# Altium PCB CUBE3TX.PcbDoc
Units mil, origin at the board's own origin, x right, y up, seen from the top; angles counter-clockwise.
Board outline 6000 x 4000 mil, 2 copper layers (Top Layer, Bottom Layer); 98 components, 72 nets, 354 pads, 185 vias.
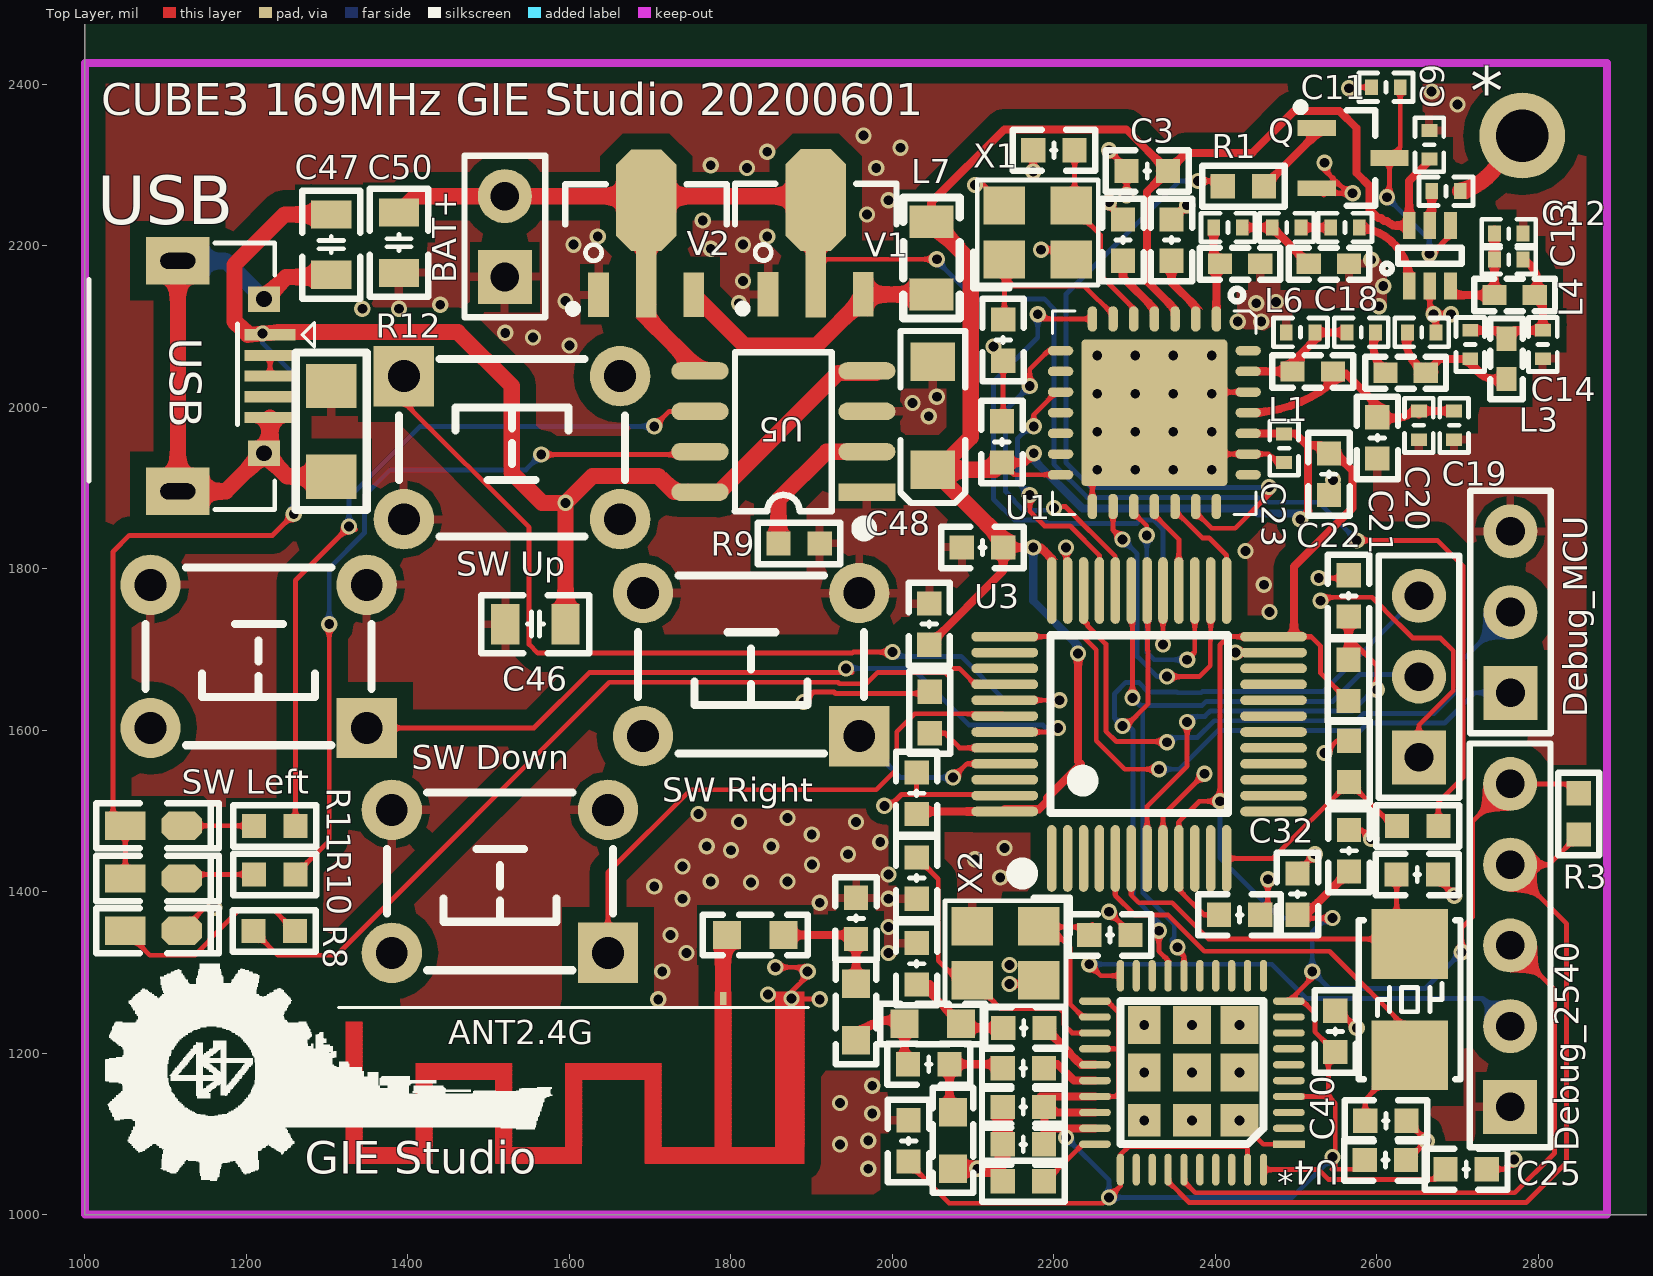
[diagram p0: Top Layer view]
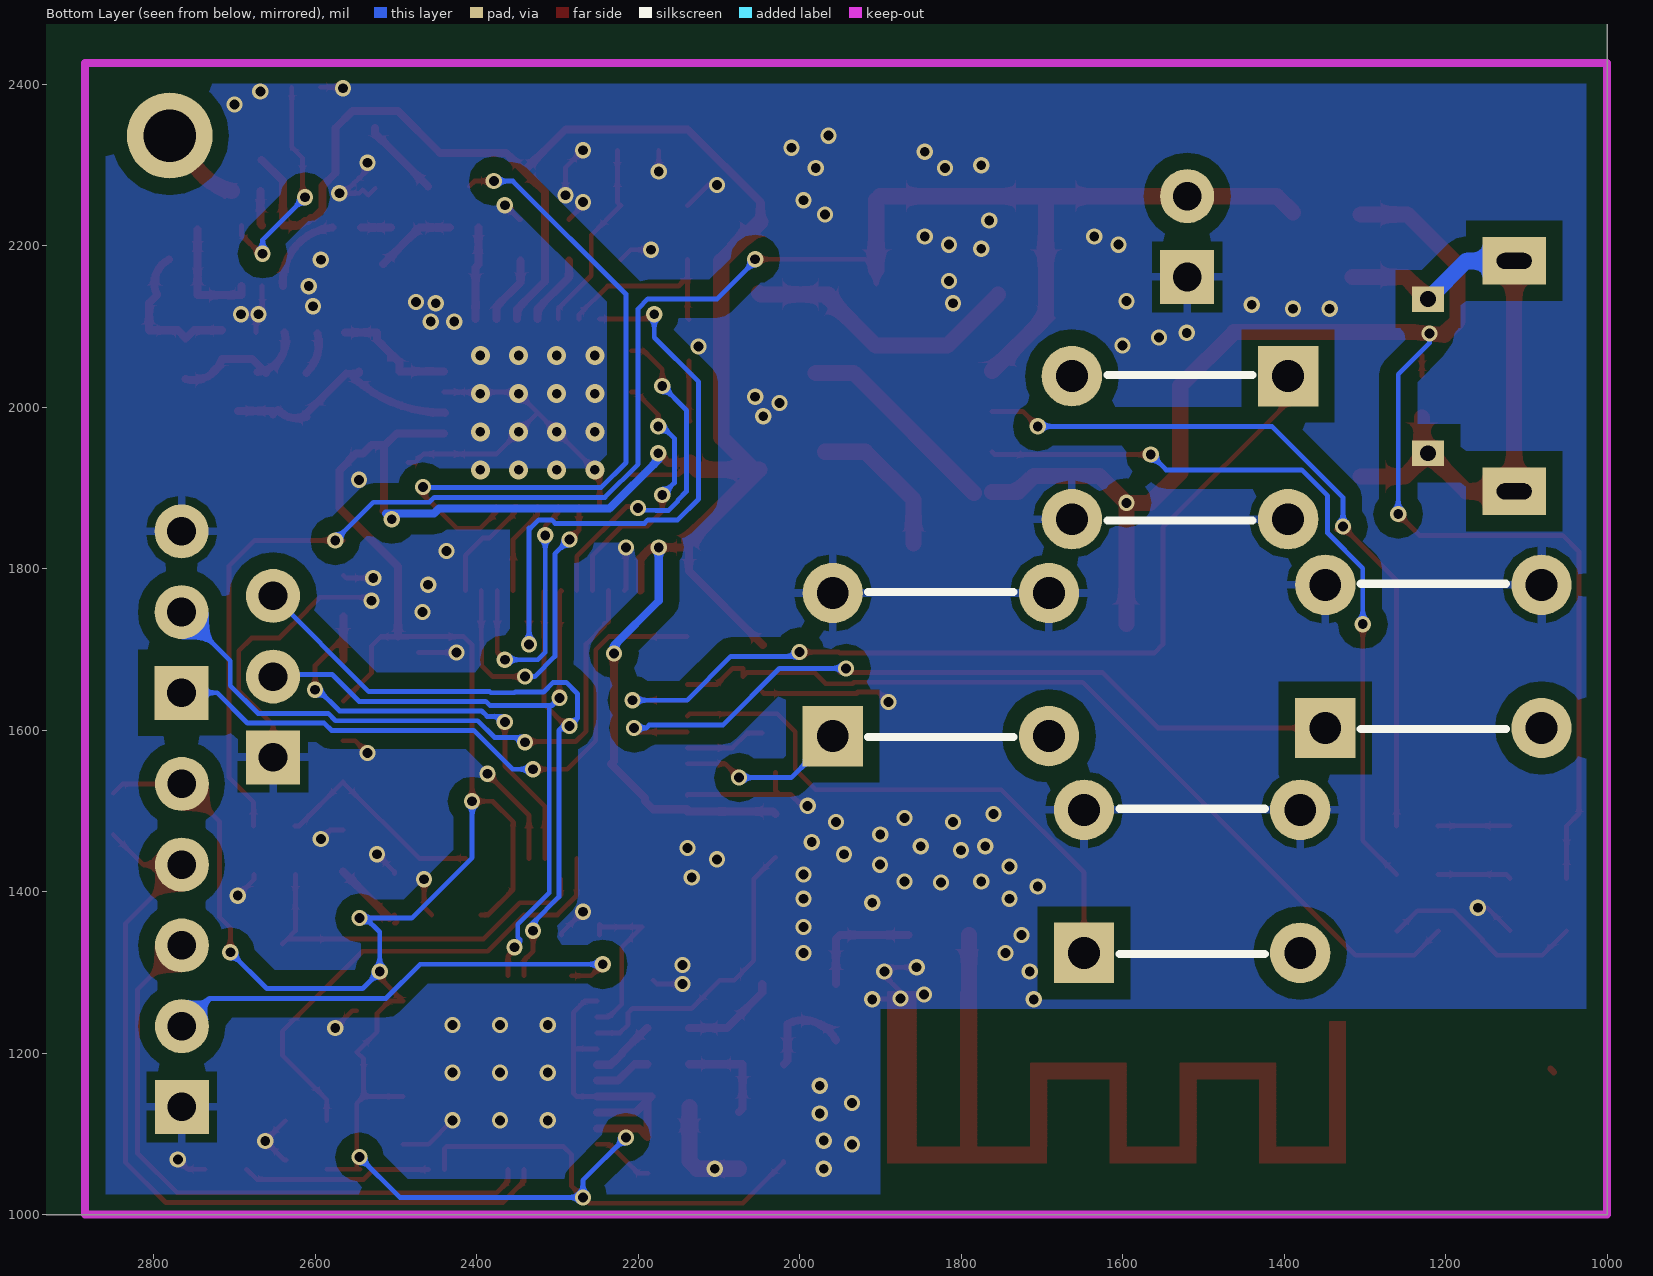
[diagram p1: Bottom Layer view, seen from below]

## Layer stack, top to bottom
Top Solder: solder mask 0.4, Solder Resist, Dk 3.5
Top Layer: signal copper 1.4
Dielectric 1: dielectric 12.6, FR-4, Dk 4.8
Bottom Layer: signal copper 1.4
Bottom Solder: solder mask 0.4, Solder Resist, Dk 3.5

## Board outline
1000,1000 7000,1000 7000,5000 1000,5000

## Design rules (kind name [scope] priority, off if disabled: settings)
Clearance Clearance_1 [InPoly] p1: gap=20 ignorepadtopadclearanceinfootprint=FALSE except(0: Arc-Hole Track-Hole SMDPad-Hole THPad-Hole Via-Hole Fill-Hole Poly-Hole Region-Hole Text-Hole)
Clearance [All] p2: gap=6 ignorepadtopadclearanceinfootprint=FALSE except(0: Arc-Hole Track-Hole SMDPad-Hole THPad-Hole Via-Hole Fill-Hole Poly-Hole Region-Hole Text-Hole)
PolygonConnect PolygonConnect_1 [IsVia] p1: connectstyle=Direct reliefconductorwidth=10 reliefentries=4 polygonreliefangle="90 Angle" airgapwidth=10
PolygonConnect [All] p2: connectstyle=Relief reliefconductorwidth=10 reliefentries=4 polygonreliefangle="90 Angle" airgapwidth=10
RoutingVias [All] p1: holewidth=28 width=50 viastyle="Through Hole" minholewidth=28 minwidth=50 maxholewidth=28 maxwidth=50
SolderMaskExpansion [All] p1: expansion=4
Width [All] p1: maxlimit=100 minlimit=6 preferedwidth=10
30 further rules are at their usual default settings.

## Classes and differential pairs
component class CUBE3TX: * ANT2.4G BAT+ C3 C9 C11 C12 C13 C14 C18 C19 C20 C21 C22 C23 C32 C40 C46 C47 C48 C50 L1 L3 L4 L6 L7 Q R1 R3 R8 R9 R10 R11 R12 "SW Down" "SW Left" "SW Right" "SW Up" U1 U3 U5 USB V1 V2 X1 X2

## Components (designator, comment, footprint, x,y, rotation, side; value= is the part's Value field where it differs from the comment)
* "ANT" R100 2780,2336.25 r0 top
ANT2.4G "ANT1" Ant2_4 1890.75,1276.09 r180 top
BAT+ "HDR-1X2" HDR2.54-LI-2P 1520,2211.25 r90 top
C1 "27p" "C 0603_L" 2137.12,2083.1 r90 top
C2 "27p" "C 0603_L" 2199.97,2318.1 r0 top
C3 "104" "C 0603_L" 2315.56,2292.51 r0 top
C4 "104" "C 0603_L" 2345.56,2206.92 r270 top
C5 "104" "C 0603_L" 2285.56,2206.92 r270 top
C6 "5.6p" "C 0402_L" 2415.56,2222.51 r0 top
C7 "12p" "C 0402_L" 2488.27,2222.51 r0 top
C8 "102" "C 0402_L" 2560.56,2222.51 r0 top
C9 "102" "C 0402_L" 2665,2325 r270 top
C10 "102" "C 0402_L" 2685.56,2267.51 r0 top
C11 "102" "C 0402_L" 2611.15,2396.25 r0 top
C12 "27p" "C 0402_L" 2763.27,2215 r180 top
C13 "NC" "C 0402_L" 2763.27,2182.67 r0 top
C14 "47p" "C 0402_L" 2805.56,2077.51 r90 top
C15 "4.7p" "C 0402_L" 2715.56,2077.51 r270 top
C16 "47p" "C 0402_L" 2655.56,2092.51 r180 top
C17 "27p" "C 0402_L" 2580.56,2092.51 r180 top
C18 "27p" "C 0402_L" 2505.56,2092.51 r0 top
C19 "47p" "C 0402_L" 2695.56,1977.51 r90 top
C20 "221" "C 0402_L" 2652.1,1977.51 r90 top
C21 "103" "C 0603_L" 2600.55,1961.92 r90 top
C22 "104" "C 0603_L" 2540.55,1916.92 r90 top
C23 "47p" "C 0402_L" 2485,1949.05 r90 top
C24 "104" "C 0603_L" 2135.56,1956.92 r270 top
C25 "104" "C 0603_L" 2710.59,1056.25 r0 top (schematic designator C37)
C26 "27p" "C 0603_L" 2030,1416.84 r90 top
C27 "18p" "C 0603_L" 2162.11,1181.25 r0 top
C28 "18p" "C 0603_L" 2162.72,1231.25 r0 top
C29 "1pF" "C 0603_L" 2045,1186.25 r0 top
C30 "1pF" "C 0603_L" 2030,1310.66 r90 top
C31 "1pF" "C 0603_L" 1955,1366.84 r90 top
C32 "104" "C 0603_L" 2501.74,1396.84 r90 top
C33 "104" "C 0603_L" 2045.59,1731.25 r90 top
C34 "104" "C 0603_L" 2020,1091.25 r90 top
C35 "104" "C 0603_L" 2162.11,1087.01 r180 top
C36 "104" "C 0603_L" 2162.11,1133.38 r180 top
C37 "104" "C 0603_L" 2610.56,1067.59 r0 top
C38 "104" "C 0603_L" 2565.55,1450.66 r90 top
C39 "27p" "C 0603_L" 2269.41,1346.25 r180 top
C40 "22p" "C 0603_L" 2611.14,1116.25 r180 top
C41 "22p" "C 0603_L" 2650,1421.25 r0 top
C42 "105" "C 0603_L" 2565,1766.25 r90 top
C43 "104" "C 0603_L" 2429.97,1371.25 r180 top
C44 "104" "C 0603_L" 2030,1521.84 r270 top
C45 "104" "C 0603_L" 2111.53,1826.25 r0 top
C46 "106" "C 0805_L" 1557.86,1731.25 r0 top
C47 "106" "C 0805_L" 1305,2201.25 r90 top
C48 "47uF/6.3V" "CD A(3216)" 2050,1989.32 r90 top
C49 "104" "C 0603_L" 2548.43,1226.84 r90 top
C50 "106" "C 0805_L" 1388.86,2203.65 r90 top
Debug_2540 "HDR-1X5" HDR2.54-LI-5P 2765,1333.38 r90 top (schematic designator Debugger_2540)
Debug_MCU "HDR-1X3" HDR2.54-LI-3P 2765.4,1746.25 r90 top (schematic designator SER)
L1 "100nH" "L 0402" 2520.56,2044.28 r180 top
L2 "39nH" "L 0402" 2635.56,2042.51 r0 top
L3 "39nH" "L 0402" 2760.4,2059.79 r90 top
L4 "39nH" "L 0402" 2770.56,2138.77 r180 top
L5 "82nH" "L 0402" 2430.56,2177.51 r180 top
L6 "100nH" "L 0402" 2540.56,2177.51 r180 top
L7 "220R" "L 0805" 2048.39,2184.64 r90 top
L8 "2nH" "L 0603" 2050,1236.25 r180 top
L9 "2nH" "L 0603" 2075,1091.84 r270 top
L10 "1nH" "L 0603" 1955,1250.93 r90 top
L11 "3nH" "L 0603" 1830,1346.25 r180 top
LED_CHG "红色" "LED 0603B" 1085,1415.99 r0 top
LED_DEP "红色" "LED 0603B" 1085,1351.25 r0 top
LED_FIN "绿色" "LED 0603B" 1085,1481.25 r0 top
Q "MMBT3904" SOT23-3N 2570.56,2308.51 r270 top
R1 "1K" "R 0603_L" 2434.65,2273.51 r0 top
R2 "56K" "R 0603_L" 2162.11,1041.25 r180 top
R3 "10k" "R 0603_L" 2850,1496.25 r270 top
R4 "10k" "R 0603_L" 2046.2,1621.84 r90 top
R5 "10k" "R 0603_L" 2565,1661.57 r270 top
R6 "1k" "R 0603_L" 2565.56,1561.25 r90 top
R7 "1k" "R 0603_L" 2650.59,1481.25 r180 top
R8 "499r" "R 0603_L" 1234.41,1351.25 r0 top
R9 "1.2k" "R 0603_L" 1884.41,1831.25 r0 top
R10 "499r" "R 0603_L" 1235,1421.25 r0 top
R11 "499r" "R 0603_L" 1235,1481.25 r0 top
R12 "0r" "R 1206_L" 1305,1971.13 r270 top
SER "HDR-1X3" HDR2.54-LI-3P 2652.1,1666.25 r90 top
"SW Down" "6x6x5" "TSW DIP-6*6*6" 1513.86,1412.67 r180 top
"SW Left" "6x6x5" "TSW DIP-6*6*6" 1215,1691.25 r180 top
"SW Right" "6x6x5" "TSW DIP-6*6*6" 1825,1681.25 r180 top
"SW Up" "6x6x5" "TSW DIP-6*6*6" 1528.86,1949.83 r0 top
U1 "SX1278" vqfn28_6x6mm 2324.42,1993.1 r270 top
U2 "RF Switch" SC70-6 2665.56,2187.51 r90 top
U3 "STM32F103C8" "LQFP48 7X7_M" 2305.56,1607.51 r0 top
U4* "CC2540F128RHAR" VQFN10X4-40PIN 2491,1087.19 r180 top (schematic designator U4)
U5 "TP4056" SOP8_N 1865,1969.79 r180 top
USB "USB-5P" USB-MICRO_A 1115,2038.42 r270 top
V1 "HT7333" SOT89_N 1905,2216.51 r0 top
V2 "HT7333" SOT89_N 1695,2216.25 r0 top
X1 "32M" "OSC 3225-4P" 2180,2216.25 r0 top
X2 "32M" "OSC 3225-4P" 2140,1323.63 r180 top
X3 "8MHz" "OSC 5032-2P" 2640.56,1266.25 r270 top

## Footprints (in the part's own frame and the unit in brackets; to place one, negate y for a bottom-side part, rotate by r counter-clockwise, add the part's x,y. Pads: shape width x height; smd on the part's side, far side on the other; paste and mask are expansions set on the pad)
Ant2_4 [mm] "2.4Ghz 天线"
  rect 0.2x0.4 smd: 1(0.4,0.25) 2(2.55,0.216)
  Top Layer drawing of 4358 lines, arcs and shapes, not listed
  silkscreen extent -0.13,0.5 14.65,0.5
"C 0402_L" [mm] "无极性贴片电容"
  rect 0.4x0.5 smd: 1(-0.45,0) 2(0.45,0)
  silkscreen extent -0.85,-0.45 0.85,0.45, body extent -0.5,-0.26 0.5,0.26, height 0.53
"C 0603_L" [mil] "无极性贴片电容"
  rect 30x30 smd: 1(-25.59,0) 2(25.59,0)
  silkscreen extent -51,-26 51,26, body extent -31,-16 31,16, height 32
"C 0805_L" [mil] "无极性贴片电容"
  rect 35x50 smd: 1(-37.4,0) 2(37.4,0)
  silkscreen extent -67,-36 67,36, body extent -39,-24 39,24, height 20
"CD A(3216)" [mm] "长3.2mm，宽1.6mm，厚1.6mm"
  rect 1.2x1.4 smd: 1(-1.7,0) 2(1.7,0)
  silkscreen extent -2.74,-1.02 2.67,1.02, body extent -1.6,-0.8 1.6,0.8, height 1.6
HDR2.54-LI-2P [mm] "排针，2脚"
  rect 1.7x1.7 hole 0.9: 1(-1.27,0)
  round 1.7 hole 0.9: 2(1.27,0)
  silkscreen extent -2.54,-1.27 2.54,1.27, body extent -2.54,-1.27 2.54,1.27, height 8.5
HDR2.54-LI-3P [mm] "排针，3脚"
  rect 1.7x1.7 hole 0.9: 1(-2.54,0)
  round 1.7 hole 0.9: 2(0,0) 3(2.54,0)
  silkscreen extent -3.81,-1.27 3.81,1.27, body extent -3.81,-1.27 3.81,1.27, height 8.5
HDR2.54-LI-5P [mm] "排针，5脚"
  rect 1.7x1.7 hole 0.9: 1(-5.08,0)
  round 1.7 hole 0.9: 2(-2.54,0) 3(0,0) 4(2.54,0) 5(5.08,0)
  silkscreen extent -6.35,-1.27 6.35,1.27, body extent -6.35,-1.27 6.35,1.27, height 8.5
"L 0402" [mil] "小功率贴片电感"
  rect 30x25 smd: 1(-25,0) 2(25,0)
  silkscreen extent -50,-20 50,20, body extent -20,-10 20,10, height 20
"L 0603" [mil] "小功率贴片电感"
  rect 35x35 smd: 1(-35,0) 2(35,0)
  silkscreen extent -65,-25 65,25, body extent -31,-16 31,16, height 31
"L 0805" [mil] "小功率贴片电感"
  rect 40x55 smd: 1(-45,0) 2(45,0)
  silkscreen extent -75,-35 75,35, body extent -39,-24 39,24, height 35
"LED 0603B" [mil] "蓝色0603LED"
  rect 50x35 smd: 1(-35,0.26)
  oct 50x35 smd: 2(35,0.26)
  silkscreen extent -71,-28 81,28, body extent -31,-16 32,16, height 24
"LQFP48 7X7_M" [mm] "48脚，体宽7x7mm，脚距0.5mm"
  oval 0.3x2.1 smd: 1(-2.75,-4.227) 2(-2.25,-4.227) 3(-1.75,-4.227) 4(-1.25,-4.227) 5(-0.75,-4.227) 6(-0.25,-4.227) 7(0.25,-4.227) 8(0.75,-4.227) 9(1.25,-4.227) 10(1.75,-4.227) 11(2.25,-4.227) 12(2.75,-4.227) 25(2.75,4.202) 26(2.25,4.202) 27(1.75,4.202) 28(1.25,4.202) 29(0.75,4.202) 30(0.25,4.202) 31(-0.25,4.202) 32(-0.75,4.202) 33(-1.25,4.202) 34(-1.75,4.202) 35(-2.25,4.202) 36(-2.75,4.202)
  oval 2.1x0.3 smd: 13(4.227,-2.75) 14(4.227,-2.25) 15(4.227,-1.75) 16(4.227,-1.25) 17(4.227,-0.75) 18(4.227,-0.25) 19(4.227,0.25) 20(4.227,0.75) 21(4.227,1.25) 22(4.227,1.75) 23(4.227,2.25) 24(4.227,2.75) 37(-4.227,2.75) 38(-4.227,2.25) 39(-4.227,1.75) 40(-4.227,1.25) 41(-4.227,0.75) 42(-4.227,0.25) 43(-4.227,-0.25) 44(-4.227,-0.75) 45(-4.227,-1.25) 46(-4.227,-1.75) 47(-4.227,-2.25) 48(-4.227,-2.75)
  silkscreen extent -3.93,-4.95 2.79,2.79, body extent -4.5,-4.5 4.5,4.5, height 1.45
"OSC 3225-4P" [mm] "3.2*2.5*0.7mm(长宽高)"
  rect 1.3x1.2 smd: 1(-1.05,-0.85) 2(1.05,-0.85) 3(1.05,0.85) 4(-1.05,0.85)
  silkscreen extent -2.03,-1.75 1.91,1.65, body extent -1.6,-1.25 1.6,1.25, height 0.7
"OSC 5032-2P" [mm] "5mm*3.2mm*0.8mm(长*宽*高)"
  rect 2.2x2.4 smd: 1(-1.75,0) 2(1.75,0)
  silkscreen extent -2.5,-1.6 2.5,1.6, body extent -2.5,-1.6 2.5,1.6, height 0.86
R100 [mm] "R100探针焊盘"
  round 2.7 hole 1.651: 1(0,0)
"R 0603_L" [mil] "1/10W贴片电阻"
  rect 30x30 smd: 1(-25.59,0) 2(25.59,0)
  silkscreen extent -51,-26 51,26, body extent -31,-16 32,16, height 16
"R 1206_L" [mil] "1/4W贴片电阻"
  rect 55x62 smd: 1(-55.12,0) 2(57.09,0)
  silkscreen extent -96,-44 98,44, body extent -63,-31 63,32, height 22
SC70-6 [mm] "SC70 6-Leads, Body 2.0x1.25mm, Pitch 0.65mm"
  rect 0.85x0.4 smd mask+0.05: 1(-0.95,0.65) 2(-0.95,0) 3(-0.95,-0.65) 4(0.95,-0.65) 5(0.95,0) 6(0.95,0.65)
  silkscreen extent -0.55,-1 0.25,1.5, body extent -0.63,-1 0.63,1, height 1.45
SOP8_N [mm] "5*6*1.8mm（长宽高）"
  rect 1.8x0.55 smd: 1(-2.625,1.905)
  oval 1.8x0.55 smd: 2(-2.625,0.635) 3(-2.625,-0.635) 4(-2.625,-1.905) 5(2.625,-1.905) 6(2.625,-0.635) 7(2.625,0.635) 8(2.625,1.905)
  silkscreen extent -2.69,-2.5 1.52,3.2, body extent -3,-2.5 3,2.5, height 1.9
SOT23-3N [mm] "3x1.3x1mm(长宽高)"
  rect 0.5x1.2 smd: 1(-0.95,-1.143) 2(0.95,-1.143) 3(0,1.143)
  silkscreen extent -1.72,-1.78 1.5,0.7, body extent -1.5,-1.2 1.5,1.2, height 1.05
SOT89_N [mm] "4.6x4.3x1.6mm(长宽高)"
  rect 0.65x1.4 smd: 1(-1.5,-1.952) 3(1.5,-1.952)
  rect 0.65x2.1 smd: 2(0,-1.626)
  oct 1.9x3.2 smd: 2(0,1.016)
  silkscreen extent -2.54,-2.52 2.54,1.52, body extent -2.3,-2.4 2.3,1.9, height 1.6
"TSW DIP-6*6*6" [mm] "6*6*6mm"
  rect 1.9x1.9 hole 1: 1(-3.4,2.25)
  round 1.9 hole 1: 2(-3.4,-2.25) 3(3.4,-2.25) 4(3.4,2.25)
  silkscreen extent -3.56,-2.79 3.56,2.79, body extent -4.11,-3 4.11,3, height 5.95
USB-MICRO_A [mm] "micro型USB ，5.7*7.8*2.5mm"
  rect 0.35x1.6 smd: 1(-1.3,2.9) 2(-0.65,2.9) 3(0,2.9) 4(0.65,2.9) 5(1.3,2.9)
  rect 1.5x2 hole 0.5 slot 1.1 at 90 deg: 5(-3.625,0) 5(3.625,0)
  rect 0.8x1 hole 0.5: 5(-2.425,2.71) 5(2.425,2.71)
  silkscreen extent -4.19,-2.79 4.19,4.3, body extent -4,-2.71 4,2.89, height 2.8
VQFN10X4-40PIN [mm]
  rect 1x0.23 smd: 1(0,0)
  oval 1x0.23 smd: 2(0,-0.5) 3(0,-1) 4(0,-1.5) 5(0,-2) 6(0,-2.5) 7(0,-3) 8(0,-3.5) 9(0,-4) 10(0,-4.5) 21(6.1,-4.5) 22(6.1,-4) 23(6.1,-3.5) 24(6.1,-3) 25(6.1,-2.5) 26(6.1,-2) 27(6.1,-1.5) 28(6.1,-1) 29(6.1,-0.5) 30(6.1,0)
  oval 0.23x1 smd: 11(0.8,-5.3) 12(1.3,-5.3) 13(1.8,-5.3) 14(2.3,-5.3) 15(2.8,-5.3) 16(3.3,-5.3) 17(3.8,-5.3) 18(4.3,-5.3) 19(4.8,-5.3) 20(5.3,-5.3) 31(5.3,0.8) 32(4.8,0.8) 33(4.3,0.8) 34(3.8,0.8) 35(3.3,0.8) 36(2.8,0.8) 37(2.3,0.8) 38(1.8,0.8) 39(1.3,0.8) 40(0.8,0.8)
  rect 1.2x1.022 smd: 41(1.55,-0.75) 41(3.05,-0.75)
  rect 1.2x1.2 smd: 41(1.55,-2.25) 41(1.55,-3.75) 41(3.05,-3.75) 41(3.05,-2.25)
  rect 1.022x1.2 smd: 41(4.55,-2.25) 41(4.55,-3.75)
  rect 1.022x1.022 smd: 41(4.55,-0.75)
  silkscreen extent 0.8,-4.5 5.3,0
vqfn28_6x6mm [mm] "28 Leads, Body 6.0x6.0mm, Pitch 0.65mm, VQFN28"
  oval 0.8x0.3 smd mask+0.05: 1(-2.95,1.95) 2(-2.95,1.3) 3(-2.95,0.65) 4(-2.95,0) 5(-2.95,-0.65) 6(-2.95,-1.3) 7(-2.95,-1.95) 15(2.95,-1.95) 16(2.95,-1.3) 17(2.95,-0.65) 18(2.95,0) 19(2.95,0.65) 20(2.95,1.3) 21(2.95,1.95)
  oval 0.3x0.8 smd mask+0.05: 8(-1.95,-2.95) 9(-1.3,-2.95) 10(-0.65,-2.95) 11(0,-2.95) 12(0.65,-2.95) 13(1.3,-2.95) 14(1.95,-2.95) 22(1.95,2.95) 23(1.3,2.95) 24(0.65,2.95) 25(0,2.95) 26(-0.65,2.95) 27(-1.3,2.95) 28(-1.95,2.95)
  rrect5% 4.6x4.6 smd paste-3.3 mask+0.05: 29(0,0)
  Mechanical 15 keep-out lines w0.1: 3.5,-3.5 3.5,3.5 -3.5,3.5 -3.5,-3.5 3.5,-3.5
  silkscreen extent -3.9,-3.2 3.2,3.2, body extent -3,-3 3,3, height 1

## Part data
*: library part CS, "探针焊盘"
ANT2.4G: "PCB板载天线"
BAT+: library part "Header 2", "2P接插件"
C1 C2 C3 C4 C5 C6 C7 C8 C9 C10 C11 C12 C13 C14 C15 C16 C17 C18 C19 C20 C21 C22 C23 C24 C25 C26 C27 C28 C29 C30 C31 C32 C33 C34 C35 C36 C37 C38 C39 C40 C41 C42 C43 C44 C45 C46 C47 C49 C50: library part C, "无极性贴片电容"
C48: library part C-CD, "贴片钽电容"
Debug_2540: library part "Header 5", "5P接插件"
Debug_MCU SER: library part "Header 3", "3P接插件"
L1 L2 L3 L4 L5 L6 L7 L8 L9 L10 L11: library part L, "小功率贴片电感"
LED_CHG LED_DEP LED_FIN: library part LED-SMD, "贴片LED"
Q: library part 8050-SMD, "高频放大-NPN型"
R1 R2 R3 R4 R5 R6 R7 R8 R9 R10 R11 R12: library part R, "贴片电阻"
"SW Down" "SW Left" "SW Right" "SW Up": library part "TSW DIP-6x6", "直插6x6轻触开关"
U1: library part SX1276, "SX1276 - Low Power Integrated UHF Transceiver with loRa Modem"
U2: library part "PE4259 RF Switch", "PE4259 Peregrine RF Switch"
U3: "Flaah:64/RAM:20/IO:36"
U4*: "2.4GHz Bluetooth Low Energy System-on-Chip Solution"
U5: "锂电池充电管理"
USB: "微型USB母座"
V1 V2: library part HT71xx, "LDO线性稳压芯片"
X1 X2: library part XTAL-4P, "4脚无源晶振"
X3: library part XTAL-2P, "2脚无源脚晶振"

## Via types
v1: diameter 20.08, hole 12.2, Top Layer to Bottom Layer, 169 vias
v2: diameter 23.62, hole 11.81, Top Layer to Bottom Layer, tented top, 16 vias

## Nets (pads, with @x,y where several pads share a name; then routed paths per layer and width w, separated by ;. In a path a pad name is that pad's centre, name@x,y a point inside that pad or via, vN(x,y) a via of type N, cw(c..) or ccw(c..) an arc to the next point about the centre after c; other vN are vias at no path point)
DC: Debug_2540.4 R3.2 U4*.34 | length 1037.5
  Top Layer w6: U4*.34 2341.39,1041.1 2367.47,1015.01 2785,1015.01 2835,1065.01 2835,1360 2765,1430 Debug_2540.4 2812.71,1433.38 R3.2
DD: Debug_2540.3 U4*.35 | length 779.7
  Top Layer w6: U4*.35 2361.08,1041.1 2375.16,1027.01 2770.76,1027.01 2820,1076.25 2820,1278.38 Debug_2540.3
DIO0_sx: U1.8 U3.32 | length 415.9
  Top Layer w6: v1(2170,2026.25) 2170,2046.87 2193,2069.87 U1.8 ; 2211.05,1876.96 2214.29,1876.96 2276.03,1815.22 U3.32
  Bottom Layer w6: v1(2170,2026.25) 2140,1996.25 2140,1895.7 2150.96,1884.74 2150.96,1883.36 2162.11,1872.21 2177.89,1872.21 2177.97,1872.29 2197.29,1872.29 v1(2200,1875)
DIO1_sx: U1.9
DIO2_sx: U1.10 U3.33 | length 334.4
  Top Layer w6: v1(2170,1891.25) 2170,1871.25 2188.29,1852.96 2219.95,1852.96 2256.34,1816.57 U3.33 ; v1(2175,1976.25) 2175,1990.75 2202.94,2018.69 U1.10
  Bottom Layer w6: v1(2170,1891.25) 2155,1906.25 2155,1961.25 2170,1976.25 v1(2175,1976.25)
DIO3_sx: U1.11
DIO4_sx: U1.12
GND: "SW Down.2" "SW Down.3" "SW Left.2" "SW Left.3" "SW Right.2" "SW Right.3" "SW Up.2" "SW Up.3" BAT+.1 C1.1 C2.1 C3.1 C4.1 C5.1 C9.1 C11.1 C12.1 C14.1 C16.1 C18.1 C19.1 C20.1 C21.1 C22.1 C23.1 C24.1 C25.2 C26.1 C30.2 C31.2 C32.2 C33.2 C34.2 C35.2 C36.2 C37.2 C38.2 C39.1 C40.1 C41.2 C42.2 C43.1 C44.1 C45.1 C46.1 C48.2 C49.2 C50.1 Debug_2540.1 Debug_MCU.3 L5.1 L6.1 L9.2 LED_DEP.2 Q.2 R2.2 R4.2 R6.2 R9.2 R12.1 SER.1 U1.15 U1.23 U1.26 U1.29 U2.2 U3.8 U3.23 U3.35 U3.47 U4*.1 U4*.41 U5.1 U5.3 V1.1 V2.1 X1.2 X1.4 X2.2 X2.4 | length 2701.9
  Top Layer w6: LED_DEP.2 1148.5,1380 v1(1160,1380) ; v1(1855,1306.25) 1890,1306.25 v1(1895,1301.25) 1895,1295.93 1875,1275.93 v1(1875,1267.59) v1@1875,1264.59 ; v1@1885,1630 v1(1890,1635) 1902.25,1647.25 1927.59,1647.25 1929.48,1645.37 2044.14,1645.37 R4.2 ; v1(1990,1506.25) 1997.27,1506.25 2011.27,1520.25 2025,1520.25 ; C44.1 2030,1525.25 2025,1520.25 ; v1(2102.31,2275) 2113.38,2275 X1.4 ; C24.1 2137.13,1984.08 C1.1 ; U3.47 2139.14,1520.25 2025,1520.25 ; v1(2145,1285.66) 2176.83,1285.66 X2.4 ; v1(2174.38,2291.84) C2.1 ; v1(2183.97,2195) 2209.12,2195 X1.2 ; v1(2215,1826.25) 2215,1774.9 U3.35 ; U1.15 2247.64,1916.33 v2(2253.55,1922.23) v2(2300.79,1969.48) U1.29 ; v1(2268.29,1375) 2295,1348.29 C39.1 ; v1(2268.29,2253.88) 2268.29,2249.78 C5.1 ; v1(2268.29,2318.1) 2289.96,2296.42 C3.1 C3.1 v1(2290,2262.47) ; U3.8 2335.09,1494.53 v1(2386.46,1545.9) ; C4.1 2347.51,2232.51 v1(2365,2250) ; v1(2425,1696.25) 2425.15,1696.09 U3.23 ; v1(2429.97,1116.72) 2459.5,1087.19 U4*.1 ; U1.26 2350.01,2018.69 v2(2348.04,2016.72) U1.29 ; C43.1 2465,1380.69 v1(2465,1415.28) ; C23.1 2476.74,1931.33 2466.15,1941.92 U1.23 2375.6,1941.92 v2(2348.04,1969.48) U1.29 ; C32.2 2501.74,1424.72 v1(2523.27,1446.25) ; Q.2 2534.19,2262.47 2541,2269.28 2545.28,2265 v1@2564.28,2265 ; v1(2527.9,1788.33) 2561.49,1788.33 C42.2 ; v1(2530,1760.21) 2534.45,1764.66 2593.96,1764.66 2609.63,1748.99 2609.63,1748.66 2644.16,1714.14 2678.71,1714.14 2694.56,1698.29 2694.56,1648.66 2652.1,1606.2 SER.1 ; v1(2534.97,1571.51) 2550.3,1586.84 R6.2 ; v1(2535,2302.6) 2535,2294.28 v1@2564.28,2265 ; C49.2 2553.81,1252.43 v1(2575,1231.24) ; C38.2 2581.63,1476.25 v1(2592.88,1465) ; v1(2565.56,2395) 2566.81,2396.25 C11.1 ; v1(2570,2265) v1@2564.28,2265 ; C37.2 2638.08,1067.59 v1(2661.74,1091.25) C40.1 ; U2.2 2665.56,2119.44 v1(2670,2115) ; C16.1 2673.27,2111.73 v1(2670,2115) ; C41.2 2675.59,1415.28 v1(2695.87,1395) ; v1(2691.91,2115) v1(2670,2115) ; C25.2 2758.18,1056.25 v1(2770,1068.07)
  Top Layer w20: L9.2 v1(2105,1056.84) 2126.84,1056.84 2136.53,1066.53 C35.2 C36.2
  other v1: 1970,1056.84 1935,1087.01 1970,1091.59 2311.86,1116.72 2370.92,1116.72 1975,1125.19 1935,1138.19 1975,1159.59 2311.86,1175.78 2370.92,1175.78 2429.97,1175.78 2311.86,1234.83 2370.92,1234.83 2429.97,1234.83 1710,1266.59 1910,1266.59 1845.94,1272.59 1715,1301.25 2145,1309.1 1745,1324.08 1995,1324.08 1725,1346.25 1995,1356.25 1910,1386.25 1740,1391.25 1995.16,1391.25 1705,1406.25 1825,1411.25 1775,1412.43 1870,1412.43 2133.58,1417.43 1995.16,1421.25 1740,1431.25 1900.26,1433.38 2102.31,1440 1945,1446.25 1800.2,1451.25 2138.66,1453.91 1770,1456.25 1850,1456.25 1985,1461.25 1900,1470.66 1810,1486.25 1955,1486.25 1870,1491.25 1760,1496.25 2466.97,1746.25 2459.97,1780 2437.18,1822.01 2545.56,1910 2045,1988.75 2025,2005 2055,2012.82 2125,2075 1600,2076.25 1555,2086.25 1520.45,2092.03 2427.6,2105.86 2456.7,2105.86 1343.5,2121.83 1388.86,2121.83 2602.67,2125 1440,2126.89 1810,2128.77 2450.56,2128.75 2475,2130.32 1595,2131.25 2607.81,2149.85 1815,2156.25 2592.88,2182.51 1775,2196.25 1605,2201.25 1815,2201.25 1635,2211.25 1845,2211.25 1765,2231.25 1968.35,2238.65 1995.16,2256.25 1820,2296.25 1979.97,2296.25 1775,2299.51 1845,2316.25 2010,2321.25 1964.06,2336.25 2700,2375 2667.84,2390.76
  other v2: 2300.79,1922.23 2348.04,1922.23 2395.28,1922.23 2253.55,1969.48 2395.28,1969.48 2253.55,2016.72 2300.79,2016.72 2395.28,2016.72 2253.55,2063.97 2300.79,2063.97 2348.04,2063.97 2395.28,2063.97
MISO_sx: U1.17 U3.27 | length 330.9
  Top Layer w6: U1.17 2298.83,1869.13 2315,1852.96 v1(2315,1841.25) ; v1(2365,1687.16) 2374.46,1696.61 U3.27
  Bottom Layer w6: v1(2315,1841.25) 2315,1696.25 2324.09,1687.16 v1(2365,1687.16)
MOSI_sx: U1.18 U3.28 | length 116.6
  Top Layer w6: U1.18 2324.42,1866.6 2354.77,1836.25 U3.28
Net*_1: *.1 C10.2 | length 121.7
  Top Layer w20: C10.2 ccw(c2684.76,2342.74) *.1@2760,2361.25
NetANT2.4G_1: ANT2.4G.1 L11.2 | length 163.2
  Top Layer w6: 1840.16,1269.84 1855.32,1269.84 ANT2.4G.1@1875.16,1269.84 ; ANT2.4G.1@1875,1266.84 1890.75,1266.84 1910,1266.84
  Top Layer w10: 1790,1276.09 1795,1275.59 1795,1274.59 1795,1273.59 1795,1272.59 1795,1271.59 1795,1270.59 1795,1269.59 1795,1268.59 1795,1267.59 1795,1266.59 1795,1265.59 1795,1264.59 1795,1263.59 1795,1262.59 1795,1261.59 1795,1260.59 1795,1259.59 1795,1258.59 1795,1257.59
  Top Layer w20: 1790,1276.09 L11.2@1790,1346.25
NetBAT+_2: BAT+.2 C50.2 R7.1 U5.5 V1.2 V2.2 | length 2290
  Top Layer w6: V1.2@1905,2152.51 1905,2170 1918.14,2183.14 v1(2055,2183.14) ; v1@2565.56,1835 v1(2575,1835) 2675,1835 2706.56,1803.44 2706.56,1541.06 2676.18,1510.68 R7.1
  Top Layer w20: C50.2 1409.06,2261.25 BAT+.2 1900.26,2261.25 1905,2256.51 V1.2@1905,2170 ; V2.2@1695,2256.25 1695,2152.25 1695,2111.44 U5.5
  Bottom Layer w6: v1@2055,2181.13 2102.09,2134.04 2187.89,2134.04 2200,2121.93 2200,1929.38 2241.09,1888.29 2452.45,1888.29 2458.5,1882.24 2527.76,1882.24 v1(2575,1835)
NetC1_2: C1.2 U1.6 X1.1 | length 234
  Top Layer w6: C1.2 2138.66,2110.23 X1.1@2138.66,2161.25 ; X1.1 X1.1@2138.66,2161.25 ; U1.6 2273.23,2114.57 2237.81,2150 2149.91,2150 X1.1@2138.66,2161.25
NetC2_2: C2.2 U1.5 X1.3 | length 242.7
  Top Layer w6: C2.2 2225.56,2253.93 X1.3 2257.96,2213.09 2257.96,2163.07 2298.83,2122.2 U1.5
NetC4_2: C4.2 U1.2 | length 84.5
  Top Layer w10: C4.2 2345.56,2154.55 2375.6,2124.51 U1.2
NetC5_2: C5.2 U1.4 | length 88.2
  Top Layer w10: C5.2 2285.56,2160.69 2324.42,2121.83 U1.4
NetC6_1: C6.1 L5.2 U1.1 | length 114.7
  Top Layer w10: C6.1 2397.84,2176.49 2401.19,2173.14 U1.1
NetC6_2: C6.2 C7.1 L6.2 | length 100.9
  Top Layer w10: C6.2 C7.1 L6.2
NetC7_2: C7.2 C8.1 | length 36.9
  Top Layer w10: C7.2 C8.1
NetC8_2: C8.2 U2.1 | length 116.4
  Top Layer w10: C8.2 cw(c2572.92,2155.46) U2.1@2639.97,2160.81 ; U2.1@2639.97,2160.81 cw(c2572.92,2155.46) U2.1 U2.1@2639.97,2160.81
NetC10_1: C10.1 U2.5 | length 43.5
  Top Layer w10: U2.5 2667.84,2227.2 C10.1
NetC12_2: C12.2 C13.1 L4.2 U2.3 | length 146.8
  Top Layer w10: U2.3 2691.15,2138.77 L4.2 C13.1 C12.2@2745.56,2219.8
NetC13_2: C13.2 C14.2 C15.1 L3.2 L4.1 | length 198.2
  Top Layer w10: C15.1 2749.96,2095.23 L3.2 2760.4,2085.62 2770,2095.22 C14.2 2805.56,2128.77 L4.1 ccw(c2766.33,2153.43) C13.2
NetC15_2: C15.2 C16.2 L2.2 L3.1 | length 186.7
  Top Layer w10: C16.2 ccw(c2675.22,2081.98) L2.2@2663.12,2045.08 ; L2.2 L2.2@2663.12,2045.08 ; L2.2@2671.11,2043.36 cw(c2675.22,2081.98) L2.2@2663.12,2045.08 ; L3.1 cw(c2750.48,2069.72) C15.2 2677.84,2059.8 L2.2@2663.12,2045.08
NetC17_1: C17.1 L2.1 | length 52.8
  Top Layer w10: C17.1@2596.78,2090.98 ccw(c2645.78,2078.71) L2.1
NetC17_2: C17.2 C18.2 L1.2 U1.27 | length 154.3
  Top Layer w10: U1.27 L1.2 2495.56,2055.43 2523.27,2083.14 C18.2 C17.2
NetC19_2: C19.2 C20.2 C21.2 L1.1 U1.25 | length 297.5
  Top Layer w10: U1.25@2439.44,1993.1 ccw(c2440.65,2157.45) 2551.74,2036.33 ccw(c2440.65,2157.45) L1.1@2552.38,2036.92 ; L1.1 2545.56,2042.51 2561.74,2041.33 C21.2@2610.56,1992.51 ; C21.2@2610.56,1987.57 ccw(c2621.11,2021.87) C20.2@2646.24,1996.25 ; C20.2@2652.1,1990.87 C20.2 C19.2
NetC25_1: C25.1 U4*.40 | length 235.8
  Top Layer w6: U4*.40 2527.9,1055.7 2540.01,1043.59 2672.34,1043.59 C25.1
NetC26_2: C26.2 U4*.23 X2.3 | length 378.8
  Top Layer w6: C26.2 2056.81,1415.62 2056.81,1314.44 2081.09,1290.16 X2.3 2133.58,1255.24 2207.03,1255.24 2212.3,1249.97 2212.3,1235.23 2222.54,1224.99 U4*.23
NetC27_1: C27.1 C29.2 L9.1 | length 127.8
  Top Layer w10: L9.1 2070.58,1131.25 C29.2 C27.1@2137.12,1186.25
NetC27_2: C27.2 U4*.26 | length 70.9
  Top Layer w10: C27.2@2188.3,1186.25 2204.35,1186.25 2224.66,1165.93 U4*.26
NetC28_1: C28.1 C30.1 L8.1 | length 119.7
  Top Layer w10: 2046.21,1285.66 2046.21,1275.04 L8.1 2090.01,1231.24 C28.1
NetC28_2: C28.2 U4*.25 | length 82.1
  Top Layer w10: C28.2 2188.86,1231.24 2220.15,1199.95 2220.15,1198.87 2233.41,1185.62 U4*.25
NetC29_1: C29.1 L8.2 L10.1 | length 122.2
  Top Layer w10: L10.1 cw(c1995.16,1196.09) L8.2 2015,1190.65 C29.1
NetC31_1: C31.1 L10.2 L11.1 | length 147.4
  Top Layer w10: L11.1 1950,1346.25 C31.1 L10.2
NetC39_2: C39.2 U4*.22 X2.1 | length 210.5
  Top Layer w6: C39.2@2247.64,1346.25 2247.64,1359.47 2244.42,1356.25 2195,1356.25 2220.15,1331.1 2220.15,1260.76 2236.24,1244.68 U4*.22
NetC40_2: C40.2 U3.5 X3.2 | length 613.6
  Top Layer w6: U3.5 2276.03,1395.22 2300,1371.25 2341.22,1371.25 2386.22,1326.25 2541.34,1326.25 2640.56,1227.04 X3.2 2585.56,1142.35 C40.2
NetC41_1: C41.1 U3.6 X3.1 | length 474.1
  Top Layer w6: U3.6@2295.72,1415.62 2295.72,1395.54 2305,1386.25 2346.61,1386.25 2391.61,1341.25 X3.1@2634.46,1341.25 ; C41.1 2624.41,1351.3 X3.1@2634.46,1341.25 ; X3.1 X3.1@2634.46,1341.25
NetC42_1: C42.1 R5.1 U3.7 | length 574
  Top Layer w6: U3.7 2315.4,1505.63 2365,1555.23 v1(2365,1610) ; 2565,1715 2600,1680 v1(2600,1650)
  Top Layer w10: R5.1 2565,1715 C42.1
  Bottom Layer w6: v1(2365,1610) 2372,1617 2386.92,1617 2393.59,1623.67 2569.73,1623.67 2596.06,1650 v1(2600,1650)
NetC46_2: C46.2 C47.2 LED_CHG.1 LED_FIN.1 U5.4 U5.8 USB.1 | length 2273.7
  Top Layer w6: LED_CHG.1@1050,1416.25 LED_FIN.1 1034.74,1496.77 1034.74,1820.99 1055,1841.25 1232.2,1841.25 v1(1258.6,1867.65)
  Top Layer w20: C47.2 1247.4,2238.65 1185,2176.25 1185,2106.25 1201.65,2089.6 v1(1220,2091.23) 1228.96,2092.03 1239.17,2092.94 1461.85,2092.94 1528.54,2026.25 1528.54,1919 1566.04,1881.51 v1(1595.26,1881.51) ; C46.2 v1(1595.26,1881.51) ; U5.8 1729.86,1894.79 1710,1914.65 1628.4,1914.65 v1(1595.26,1881.51) ; U5.8@1784.02,1893.47 1933.06,2042.51 U5.4@1979.97,2042.51
  Bottom Layer w6: v1(1220,2091.23) 1220,2079.35 1258.6,2040.75 v1(1258.6,1867.65)
NetC47_1: C47.1 R12.2 USB.5 | length 785.3
  Top Layer w20: USB.5@1115,2181.13 1115,1895.7 1174.45,1895.7 USB.5@1221.69,1942.94 ; USB.5@1221.69,2133.89 1249.06,2161.25 C47.1@1315,2161.25 ; USB.5@1229.17,1987.23 1229.17,1950.42 USB.5@1221.69,1942.94 ; R12.2 1250.59,1914.05 USB.5@1221.69,1942.94
  Bottom Layer w20: USB.5@1115,2181.13 1174.45,2181.13 USB.5@1221.69,2133.89
NetL7_1: L7.1 V1.3 V2.3 | length 351.9
  Top Layer w20: V2.3 1817.19,2076.25 1905.5,2076.25 1964.06,2134.8 V1.3 L7.1 L7.1@2050,2141.25
NetLED_CHG_1: 
NetLED_CHG_2: LED_CHG.2 R10.1 | length 91.5
  Top Layer w6: LED_CHG.2 1125,1421.25 R10.1
NetLED_DEP_1: LED_DEP.1 R8.2 | length 256.4
  Top Layer w6: LED_DEP.1 1080.26,1321.25 1136.23,1321.25 1154,1339.03 1154,1340.25 1190,1376.25 1235,1376.25 R8.2
NetLED_FIN_2: LED_FIN.2 R11.1 | length 89.5
  Top Layer w6: LED_FIN.2 1209.15,1481.51 R11.1
NetQ_1: Q.1 R1.2 | length 99.5
  Top Layer w10: R1.2 2525.56,2338.82 Q.1
NetR1_1: R1.1 U1.20 | length 861
  Top Layer w6: U1.20 2375.6,1869.68 2395.28,1850 2424.43,1850 2466.39,1891.95 v1(2466.39,1901.28) ; v1(2378.65,2280) 2402.56,2280 R1.1
  Bottom Layer w6: v1(2378.65,2280) 2355,2280 2215,2140 2215,1931.35 2246.06,1900.29 2465.4,1900.29 v1(2466.39,1901.28)
NetR2_1: R2.1 U4*.30 | length 78.1
  Top Layer w6: R2.1@2187.59,1051.25 2200,1051.25 2235.94,1087.19 U4*.30
NetR4_1: R4.1 U3.44 | length 100.5
  Top Layer w6: R4.1 2065,1596.25 2083.27,1577.98 U3.44
NetR6_1: R6.1 R7.2 U3.12 | length 272.9
  Top Layer w6: U3.12 2471,1441.09 R6.1 2619.97,1481.25 R7.2
NetR8_1: R8.1 U3.40 | length 1109.9
  Top Layer w6: R8.1 1238.82,1321.25 1311.54,1321.25 1649.54,1659.25 1932.56,1659.25 1934.45,1657.37 1967.68,1657.37 1981.75,1671.43 2064.93,1671.43 2070.21,1666.16 2070.21,1676.41 2082.63,1676.41 2102.31,1656.72 U3.40
NetR9_1: R9.1 U5.2 | length 188.1
  Top Layer w20: R9.1 1858.82,1885.07 1918.54,1944.79 U5.2
NetR10_2: R10.2 U5.7 | length 942.5
  Top Layer w6: R10.2 1302.46,1463.12 v1(1302.46,1731.25) ; v1(1565,1941.25) 1758.11,1941.25 U5.7
  Bottom Layer w6: v1(1302.46,1731.25) 1302.46,1800.54 1346.07,1844.15 1346.07,1890.18 1378.13,1922.23 1545.98,1922.23 v1(1565,1941.25)
NetR11_2: R11.2 U5.6 | length 919.7
  Top Layer w6: R11.2 1260.59,1785.29 1323.86,1848.57 v1@1335,1848.57 ; v1(1705,1976.25) 1723.54,1994.79 U5.6
  Bottom Layer w6: v1(1327.03,1852.04) 1327.03,1888.28 1415,1976.25 v1(1705,1976.25)
"NetSW Down_1": "SW Down.1" U3.42 | length 701
  Top Layer w6: 1647.72,1324.08 1647.72,1423.97 1750,1526.25 1979.97,1526.25 2005.26,1551.54 2005.26,1598.03 2027.48,1620.25 2136.24,1620.25 U3.42
"NetSW Down_3": 
"NetSW Left_1": "SW Left.1" U3.43 | length 990.7
  Top Layer w6: 1348.86,1602.67 1555.94,1602.67 1624.53,1671.25 v1@1949.97,1671.25 ; U3.43 2200,1597.67 v1(2205,1602.67)
  Bottom Layer w6: v1(1942.33,1676.41) 2024.84,1676.41 2095,1606.25 2186.42,1606.25 2190,1602.67 v1(2205,1602.67)
"NetSW Right_1": "SW Right.1" U3.45 | length 208.6
  Top Layer w6: v1(2075,1541.25) 2092.05,1558.3 U3.45
  Bottom Layer w6: 1958.86,1592.67 2010.28,1541.25 v1(2075,1541.25)
"NetSW Up_1": "SW Up.1" U3.41 | length 1150.9
  Top Layer w6: 1395,2038.42 1395,2006.25 1550,1851.25 1550,1706.25 1560.8,1695.45 1950.22,1695.45 1951.39,1696.61 v1(2000,1696.61) ; U3.41 v1(2207.03,1637.04)
  Bottom Layer w6: v1(2000,1696.61) 2005.33,1691.28 2084.97,1691.28 2139.21,1637.04 v1(2207.03,1637.04)
NetUSB_2: USB.2 USB.3 | length 25.6
  Top Layer w6: USB.3 USB.2
NRESET_sx: U1.7 U3.29 | length 761.8
  Top Layer w6: v1(2180,2115) 2185.76,2109.24 U1.7 ; v1(2335,1706.25) 2335.09,1706.34 U3.29
  Bottom Layer w6: v1(2180,2115) 2180,2086.25 2125,2031.25 2125,1886.25 2150.96,1860.29 2157.06,1860.29 2157.14,1860.21 2182.86,1860.21 2182.94,1860.29 2187.78,1860.29 2192.11,1855.96 2302.78,1855.96 2307.11,1860.29 2322.89,1860.29 2333.92,1849.26 2335,1850.34 v1(2335,1706.25)
NSS_sx: U1.19 U3.25 | length 137.2
  Top Layer w6: U1.19 2353.12,1876.96 2353.12,1868.52 2383.63,1838 2392.08,1838 2413.83,1816.25 U3.25
RESET_2540: Debug_2540.2 U4*.20 | length 597.3
  Top Layer w6: v1(2243.82,1310) 2257.96,1295.86 U4*.20
  Bottom Layer w6: v1(2243.82,1310) 2470,1310 2512.41,1267.59 2730.78,1267.59 Debug_2540.2
RX_2540: SER.2 U3.31 U4*.16 | length 868.4
  Top Layer w6: U3.31 2295,1772.21 2297.33,1769.88 v1(2297.33,1640) ; v1(2353.12,1331.1) 2353.12,1327.96 2361.08,1320 U4*.16
  Bottom Layer w6: v1(2297.33,1640) 2306.62,1630.71 2310,1630.71 ; v1(2353.12,1331.1) 2345.96,1338.25 2345.96,1340.54 2349.04,1343.62 2349.04,1359.39 2310,1398.43 2310,1630.71 ; SER.2 2649.31,1669.04 2579.04,1669.04 2545.67,1635.67 2388.62,1635.67 2383.67,1630.71 2310,1630.71
RXTX: C11.2 Q.3 U2.4 | length 282.4
  Top Layer w6: v1(2612.35,2260) 2615.56,2263.21 Q.3 2628.86,2321.81 C11.2 ; v1(2665,2190) 2667.98,2190 2691.15,2213.17 U2.4
  Bottom Layer w6: v1(2612.35,2260) 2665,2207.35 v1(2665,2190)
SCK_sx: U1.16 U3.26 | length 397.9
  Top Layer w6: U1.16 2273.23,1848.02 v1(2285,1836.25) ; v1(2340,1666.25) 2380,1666.25 2393.56,1679.81 2393.56,1710.4 2394.14,1710.98 U3.26
  Bottom Layer w6: v1(2285,1836.25) 2303,1818.25 2303,1691.28 2328.03,1666.25 v1(2340,1666.25)
SWCLK: Debug_MCU.1 U3.37 | length 799.4
  Top Layer w6: U3.37 2236.15,1715.78 2252.45,1699.48 2252.45,1587.04 2287.95,1551.54 v1(2330,1551.54)
  Bottom Layer w6: v1(2330,1551.54) 2355.4,1551.54 2403.53,1599.67 2579.67,1599.67 2588.71,1608.71 2683.71,1608.71 2721.25,1646.25 Debug_MCU.1
SWDIO: Debug_MCU.2 U3.34 | length 780
  Top Layer w6: U3.34 2236.66,1734.38 2238.75,1732.29 2241.44,1732.29 2241.44,1729.6 2264.45,1706.59 2264.45,1598.63 2277.11,1585.96 v1@2341.52,1585.96
  Bottom Layer w6: v1(2340,1585) 2345.96,1590.96 2377.85,1590.96 2398.56,1611.67 2574.7,1611.67 2583.74,1620.71 2670.71,1620.71 2705,1655 2705,1685.85 Debug_MCU.2
TX_2540: SER.3 U3.30 U4*.17 | length 1003.2
  Top Layer w6: v1(2285,1605) 2289.26,1605 2316.37,1632.11 2316.37,1697.95 2315.96,1698.36 2315.96,1714.14 2316.37,1714.55 2316.37,1771.96 U3.30 ; v1(2330,1351.51) 2330,1326.25 2341.39,1314.86 U4*.17
  Bottom Layer w6: v1(2330,1351.51) 2330,1361.46 2298,1393.46 2298,1599.67 2292.67,1605 v1(2285,1605) 2275,1615 2275,1645 2289.04,1659.04 2305.22,1659.04 2317.05,1647.21 2351.8,1647.21 2352.76,1646.25 2382.23,1646.25 2383.65,1647.67 2533.51,1647.67 SER.3
VDD: C3.2 C9.2 C22.2 C23.2 C24.2 C32.1 C33.1 C34.1 C35.1 C36.1 C37.1 C38.1 C43.2 C44.2 C45.2 C48.1 C49.1 Debug_2540.5 L7.2 R3.1 R5.2 U1.3 U1.14 U1.24 U2.6 U3.9 U3.24 U3.36 U3.48 U4*.4 U4*.10 U4*.21 U4*.24 U4*.27 U4*.28 U4*.29 U4*.31 U4*.39 | length 6792.3
  Top Layer w6: C34.1 2020,1064.11 2070.11,1014 2261.04,1014 v1(2268.29,1021.25) 2282.34,1035.3 U4*.31 2282.34,1073.97 2292.75,1084.38 2436.93,1084.38 2439.82,1081.5 U4*.39 ; C24.2 2150.56,1916.33 U1.14 ; C45.2 C45.2@2137.12,1835.27 ; 2214.29,1106.88 2215,1106.17 v1(2215,1095.59) ; U4*.27 2276.06,1146.25 2280,1150.19 2280,1205 ; U4*.24 2279.7,1205.31 2280,1205 ; U4*.21 2266.23,1264.36 2280,1250.59 2280,1205 ; C43.2@2394.41,1371.25 2385.91,1371.25 2354.77,1402.4 U3.9 2354.77,1486.62 2379.78,1511.63 2379.49,1511.92 v1(2405.56,1511.92) 2405.56,1705.43 2415.91,1715.78 U3.24 2497.37,1715.78 2518.71,1715.78 2530,1704.48 2530,1670.97 R5.2 ; U4*.4 2540,1146.25 ; C32.1@2498.58,1362.67 2500,1361.25 C32.1@2501.74,1361.25 ; C32.1 2505.83,1367.16 2507.65,1367.16 v1(2545,1367.16) ; 2513.37,1953.06 2514.56,1951.88 ; v1(2520,1301.25) 2520,1293.36 U4*.10 2508.23,1264.36 2523.27,1249.32 2523.27,1226.41 C49.1 2540,1192.82 2540,1146.25 ; 2544.32,1056.25 C37.1@2585.55,1056.25 ; 2548.43,1060.35 2548.43,1137.82 2540,1146.25 ; v1(2704.97,1325) 2704.97,1355 2718.3,1368.33 2718.3,1486.67 Debug_2540.5 2838.46,1533.38 R3.1
  Top Layer w10: C44.2 2032.99,1499.24 U3.48 2139.14,1502.02 2181.58,1502.02 2191.48,1511.92 2191.48,1516.07 2233.41,1558 2230,1561.41 v1(2230,1695) ; C33.1 2137.12,1797.18 C45.2 ; L7.2 2048.39,2253.88 2138.61,2344.1 2289.55,2344.1 C3.2 ; C24.2 2163.39,1931.33 v1(2175,1942.94) ; C45.2@2140,1826.25 v1(2174.38,1826.25) 2183.97,1826.25 2197.29,1812.93 U3.36 ; U4*.29 2214.29,1106.88 2198.93,1106.88 2188.31,1096.25 C36.1@2188.31,1141.25 ; U4*.28 2202.99,1126.56 C36.1@2188.31,1141.25 ; U4*.27 2183.31,1146.25 C36.1@2188.31,1141.25 ; U1.3 2350.01,2121.24 2315.4,2155.85 2315.4,2266.76 C3.2 ; U1.24 2498.93,1967.51 2513.37,1953.06 2530,1953.06 C22.2 2549.23,1942.51 2570,1921.74 2570,1875.21 2497.37,1802.59 U3.24@2497.37,1715.78 ; v1(2505,1861.25) 2515,1871.25 2515,1871.33 2514.56,1871.77 2514.56,1951.88 ; C32.1@2507.65,1367.16 C38.1 ; U2.6 2620.19,2224.91 2618.2,2226.9 2616.59,2226.9 2615.3,2228.19 2614.91,2228.19 2612.35,2230.75 2610.33,2230.75 2610.28,2230.8 2608.75,2230.8 2608.28,2231.27 2608.2,2231.27 2605.39,2234.09 2601.72,2234.09 2590.81,2245 2590.81,2256.05 2591.04,2256.29 2591.04,2273.71 2575,2289.75 2575,2345.49 2553.74,2366.75 2497.38,2366.75 2445.63,2315 2363.64,2315 C3.2 ; U2.6@2639.97,2235.08 2639.97,2279.97 C9.2@2666.14,2306.14
  Top Layer w20: L7.2 2097.07,2180.97 2097.07,1962.65 C48.1@2056.81,1922.39 ; C24.2 2126.62,1922.39 C48.1@2056.81,1922.39 ; C45.2@2137.12,1835.27 C48.1 C48.1@2056.81,1922.39
  Bottom Layer w6: v1(2215,1095.59) 2268.29,1042.31 v1(2268.29,1021.25) 2495,1021.25 v1(2545,1071.25) ; v1(2405.56,1511.92) 2405.56,1442.16 2480.56,1367.16 v1@2537.16,1367.16 ; v1(2545,1367.16) v1@2537.16,1367.16 ; v1(2704.97,1325) 2659.97,1280 2541.25,1280 v1(2520,1301.25) 2520,1350 v1@2537.16,1367.16
  Bottom Layer w10: v1(2174.38,1826.25) 2174.38,1760.28 2230,1704.66 v1(2230,1695) ; v1(2175,1942.94) 2175,1934.58 2235.29,1874.29 2446.65,1874.29 2452.7,1868.24 2511.99,1868.24 v1(2505,1861.25)
pads on no net: "SW Down.4" "SW Left.4" "SW Right.4" "SW Up.4" ANT2.4G.2 U1.13 U1.21 U1.22 U1.28 U3.1 U3.2 U3.3 U3.4 U3.10 U3.11 U3.13 U3.14 U3.15 U3.16 U3.17 U3.18 U3.19 U3.20 U3.21 U3.22 U3.38 U3.39 U3.46 U4*.2 U4*.3 U4*.5 U4*.6 U4*.7 U4*.8 U4*.9 U4*.11 U4*.12 U4*.13 U4*.14 U4*.15 U4*.18 U4*.19 U4*.32 U4*.33 U4*.36 U4*.37 U4*.38 USB.4
copper on no net: | length 5.7
  Top Layer w8.03: 1066,1176.59 1070,1180.59

## Polygon pours and split planes (outlines as drawn)
GND on Bottom Layer "Bottom Layer-No Net" (solid, remove dead copper, pour order 8): 1000,2426.25 2885,2426.25 2885,1000 1900,1000 1900.26,1000.26 1900.26,1255 1000,1255
GND on Top Layer "Bottom Layer-No Net" (solid, remove dead copper, pour order 6): 1000,2426.25 2885,2426.25 2885,1000 1900,1000 1900,1256.33 1900.26,1256.59 1899.26,1257.59 990,1257.59

## Keep-outs
Keep-Out Layer:
  lines w10: 1000,1000 1000,2426.25 2885,2426.25 2885,1000 1000,1000

## Silkscreen, mask and mechanical layers (free items; w line width, h text height)
Top Overlay:
  drawing of 777 lines, arcs and shapes, not listed
  text "CUBE3 169MHz GIE Studio 20200601" at 1020,2361.25 h40
  text "GIE Studio" at 1272,1050.59 h40.31